# Altium PCB HSBNE-MOTOR.PcbDoc (part 2 of 2)
Units mm, origin at the board's own origin, x right, y up, seen from the top; angles counter-clockwise.
Board outline 150.03 x 100.03 mm, 2 copper layers (Top Layer, Bottom Layer); 140 components, 154 nets, 645 pads, 732 vias.
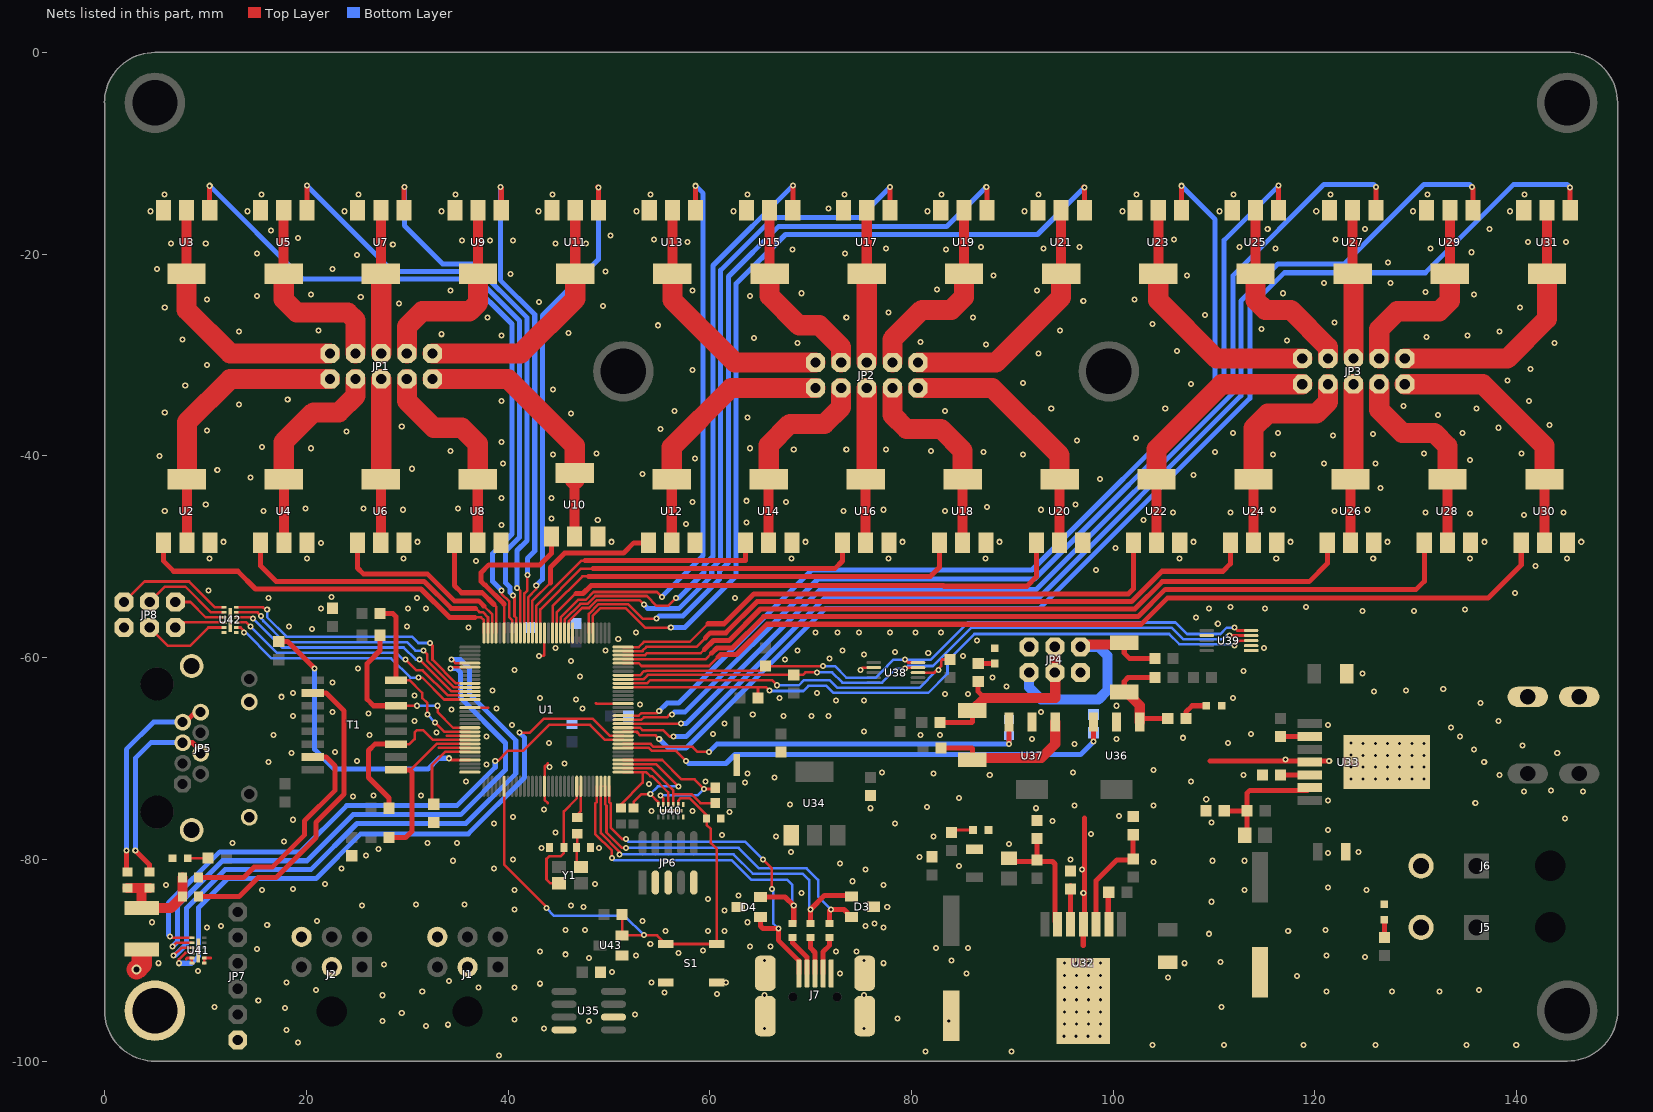
[diagram p2: the nets of this part, all layers, seen from the top]

## Via types
v1: diameter 0.6, hole 0.3, Top Layer to Bottom Layer, tented both sides, 675 vias
v2: diameter 0.6, hole 0.3, Top Layer to Bottom Layer, tented bottom, 56 vias
v3: diameter 1, hole 0.6, Top Layer to Bottom Layer, tented both sides, 1 vias

## Nets (pads, with @x,y where several pads share a name; then routed paths per layer and width w, separated by ;. In a path a pad name is that pad's centre, name@x,y a point inside that pad or via, vN(x,y) a via of type N, cw(c..) or ccw(c..) an arc to the next point about the centre after c; other vN are vias at no path point) (continued)
GND: C2.1 C3.2 C4.2 C6.1 C7.2 C8.2 C9.1 C10.1 C11.1 C12.1 C13.- C14.1 C15.1 C16.1 C17.1 C20.1 C21.1 C22.- C23.- C24.1 C25.1 C26.1 C27.2 D1.2 D3.3 D4.3 D6.2 D7.2 D8.2 D9.2 J1.2 J1.6 J2.2 J2.6 J4.1 J4.2 J5.2 J6.2 J7.5 J7.6 J7.7 J7.8 J7.9 JP4.2 JP4.5 JP5.10 JP5.12 JP5.GND1 JP5.GND2 JP6.3 JP6.5 JP6.9 JP7.6 JP8.6 pad.2 R2.1 R5.1 R8.1 R25.1 R41.1 R42.1 S1.1 S1.2 U1.10 U1.17 U1.48 U1.55 U1.58 U1.64 U1.80 U1.114 U2.3 U3.3 U4.3 U5.3 U6.3 U7.3 U8.3 U9.3 U10.3 U11.3 U12.3 U13.3 U14.3 U15.3 U16.3 U17.3 U18.3 U19.3 U20.3 U21.3 U22.3 U23.3 U24.3 U25.3 U26.3 U27.3 U28.3 U29.3 U30.3 U31.3 U32.4 U32.8 U33.4 U33.8 U34.1 U35.2 U35.8 U36.2 U37.2 U38.7 U39.1 U39.2 U39.7 U40.6 U40.7 U40.13 U41.5 U41.6 U41.7 U41.8 U41.13 U42.6 U42.7 U42.13 U43.1 | length 46.5
  Top Layer w0.254: 8.084,-89.891 8.198,-89.777 U41.5@8.657,-89.777 U41.6@8.657,-90.277 ; U41.7@9.885,-90.277 U41.8@9.885,-89.777 10.529,-89.777 ; 33.157,-68.951 U1.58@36.215,-68.951 ; 33.909,-67.751 U1.55@36.215,-67.751 ; U1.48@36.215,-64.951 36.215,-64.962 38.038,-64.962 ; v1(43.053,-59.817) 43.561,-59.817 ; 43.604,-59.774 43.604,-58.395 43.615,-58.384 U1.17@43.615,-57.551 ; 43.942,-74.422 43.626,-74.106 43.626,-72.762 U1.80@43.615,-72.751 43.626,-72.74 43.626,-70.801 43.942,-70.485 ; 48.707,-64.505 48.753,-64.551 U1.114@51.415,-64.551 ; v1(74.93,-61.214) 75.16,-60.984 U38.7@76.245,-60.984
  Top Layer w0.5: 97.028,-88.519 U32.4@97.028,-86.547 ; U32.4@97.155,-86.42 97.155,-75.895 ; 109.601,-70.231 U33.4@119.491,-70.231 ; U33.4@119.618,-70.231 v1(121.412,-70.231)
  Top Layer w2: v3(3.175,-90.932) 3.683,-90.424 C27.2@3.683,-89.408
  other v1: 39.116,-99.441 81.407,-99.06 89.916,-99.06 103.886,-98.425 110.998,-98.425 118.872,-98.425 125.984,-98.425 135.001,-98.425 139.954,-98.425 19.177,-98.171 18.034,-96.901 43.561,-96.774 65.405,-96.774 75.311,-96.774 31.877,-96.52 34.036,-96.393 27.559,-96.012 48.006,-96.012 83.693,-96.012 40.64,-95.885 78.613,-95.758 52.578,-95.377 29.464,-95.25 17.907,-94.742 10.922,-94.615 110.744,-94.615 15.24,-93.98 27.559,-93.472 65.405,-93.472 75.311,-93.472 60.706,-93.345 55.499,-93.218 31.496,-93.091 121.158,-93.091 127.635,-93.091 132.334,-93.091 20.955,-92.964 136.271,-92.964 37.084,-92.71 40.64,-92.71 43.18,-92.329 18.034,-92.202 54.229,-92.202 61.595,-92.202 34.163,-92.075 105.41,-91.694 118.237,-91.567 72.898,-91.313 85.471,-91.313 50.292,-91.186 9.271,-91.059 27.686,-90.424 5.334,-90.297 77.216,-90.297 107.061,-90.297 110.617,-90.17 65.405,-90.043 75.311,-90.043 83.947,-90.043 48.006,-89.789 124.968,-89.662 52.705,-89.535 121.158,-89.535 45.72,-89.408 56.896,-89.281 43.18,-89.154 72.517,-89.154 74.549,-89.154 59.309,-89.027 15.113,-88.9 82.423,-88.773 85.598,-88.773 64.008,-88.646 66.04,-88.646 54.102,-88.392 109.474,-87.376 55.626,-87.122 59.817,-87.122 61.468,-87.122 117.348,-87.122 45.72,-86.995 47.625,-86.995 121.031,-86.995 10.16,-86.741 77.216,-86.741 11.557,-86.614 75.438,-86.614 16.129,-86.487 76.327,-86.36 4.699,-86.233 63.754,-86.233 21.082,-86.106 53.34,-86.106 61.468,-85.09 40.64,-84.963 47.498,-84.709 77.597,-84.709 25.527,-84.582 46.228,-84.582 30.861,-84.455 35.687,-84.455 109.728,-84.201 59.817,-83.947 62.865,-83.566 69.088,-83.312 97.028,-83.312 15.621,-83.058 40.64,-83.058 113.03,-83.058 125.095,-83.058 18.669,-82.931 121.285,-82.804 6.096,-82.55 77.216,-82.55 21.844,-82.423 48.641,-82.423 74.168,-82.169 75.438,-81.026 96.901,-81.026 23.495,-80.899 38.608,-80.899 84.709,-80.645 72.898,-80.391 104.013,-80.264 34.544,-80.137 109.855,-80.137 113.03,-80.137 40.513,-80.01 95.758,-80.01 80.772,-79.756 25.908,-79.629 121.285,-79.375 68.072,-79.248 124.333,-79.248 27.178,-78.994 43.307,-78.867 49.022,-78.867 89.662,-78.486 12.7,-78.359 32.004,-78.359 34.925,-78.359 17.78,-78.232 66.548,-77.724 82.169,-77.724 61.214,-77.597 97.79,-77.47 44.704,-77.343 121.285,-77.089 38.608,-76.454 78.359,-76.454 109.728,-76.327 93.98,-76.2 18.669,-76.073 144.78,-75.946 40.513,-75.819 100.584,-75.692 61.976,-75.311 54.229,-75.184 58.293,-75.184 43.561,-75.057 75.946,-74.93 92.329,-74.93 81.534,-74.803 96.139,-74.676 104.013,-74.676 67.945,-74.549 135.89,-74.422 121.285,-74.168 109.22,-74.041 84.709,-73.914 24.638,-73.787 26.67,-73.66 31.369,-73.66 140.716,-73.279 146.558,-73.279 143.383,-73.152 53.975,-72.517 63.5,-72.39 35.814,-72.263 59.563,-72.263 107.696,-72.263 66.421,-71.882 87.757,-71.628 112.903,-71.628 138.303,-71.628 63.754,-71.501 82.169,-71.501 77.089,-71.374 96.012,-71.374 104.013,-71.12 44.1,-70.835 37.846,-70.612 45.593,-70.485 16.256,-70.358 136.779,-70.358 25.019,-70.231 117.094,-70.104 18.542,-69.469 144.018,-69.469 22.86,-69.342 135.763,-69.088 140.589,-68.707 96.139,-68.58 44.069,-68.453 111.379,-68.453 91.948,-68.072 100.33,-68.072 106.934,-67.945 37.846,-67.818 134.366,-67.818 16.764,-67.691 26.289,-67.691 80.899,-67.691 82.804,-67.691 60.325,-67.564 113.665,-67.564 32.893,-67.437 75.311,-67.31 133.477,-66.929 40.386,-66.675 121.285,-66.675 61.468,-66.548 30.734,-66.294 138.176,-66.294 18.669,-65.786 67.31,-65.786 70.104,-65.786 71.755,-65.786 64.262,-65.659 26.162,-65.532 22.606,-65.405 92.837,-65.405 34.417,-65.151 38.862,-65.024 47.371,-65.024 100.33,-64.77 53.086,-64.643 136.398,-64.516 72.517,-64.262 75.311,-64.262 46.736,-64.135 43.18,-64.008 66.929,-64.008 111.887,-64.008 17.526,-63.881 30.734,-63.754 83.312,-63.627 85.598,-63.627 18.669,-63.5 70.612,-63.5 125.857,-63.373 38.481,-63.246 129.032,-63.246 132.715,-63.119 89.408,-62.865 22.606,-62.484 88.011,-61.976 47.117,-61.849 124.714,-61.595 112.903,-61.341 40.64,-61.214 25.146,-61.087 46.228,-60.325 67.437,-60.198 71.882,-60.071 85.09,-59.817 75.311,-59.69 81.661,-59.563 78.359,-59.436 49.657,-59.309 68.707,-59.309 73.152,-59.309 44.704,-59.055 114.935,-59.055 86.487,-58.293 50.927,-58.166 52.705,-57.531 70.485,-57.531 72.644,-57.531 74.803,-57.531 77.851,-57.531 80.391,-57.531 82.931,-57.531 20.574,-57.15 36.068,-57.023 18.288,-56.896 29.972,-56.896 110.363,-56.642 108.204,-56.007 124.714,-55.372 129.794,-55.372 134.874,-55.245 21.463,-55.118 30.099,-55.118 31.877,-55.118 109.474,-55.118 115.062,-55.118 111.633,-54.991 119.126,-54.991 16.256,-54.102 30.988,-54.102 62.484,-54.102 22.479,-53.975 139.827,-53.594 10.287,-53.34 98.298,-51.308 141.859,-50.927 36.83,-50.419 10.414,-50.165 20.066,-50.165 29.641,-50.165 68.094,-50.165 77.707,-50.165 87.321,-50.165 106.548,-50.165 116.161,-50.165 125.774,-50.165 135.388,-50.165 145.001,-50.165 100.203,-49.149 21.463,-48.641 11.811,-48.514 31.038,-48.514 50.264,-48.514 69.491,-48.514 79.104,-48.514 88.718,-48.514 107.945,-48.514 117.558,-48.514 127.171,-48.514 136.785,-48.514 146.398,-48.514 39.37,-46.863 57.658,-46.736 63.627,-46.609 48.895,-46.355 102.997,-46.355 44.323,-46.228 140.716,-45.847 135.382,-45.72 105.918,-45.593 111.633,-45.593 130.937,-45.593 144.653,-45.593 5.969,-45.466 15.748,-45.466 73.279,-45.466 83.312,-45.466 121.92,-45.466 29.591,-45.339 77.216,-45.339 92.837,-45.339 115.824,-45.339 125.222,-45.339 19.939,-45.212 25.654,-45.212 35.052,-45.212 87.503,-45.085 10.033,-44.831 96.266,-44.831 58.293,-44.577 67.564,-44.577 63.627,-44.45 39.37,-44.196 44.323,-44.196 126.492,-43.18 98.679,-42.291 14.478,-42.164 107.95,-41.91 53.34,-41.783 11.176,-41.402 30.48,-41.275 39.497,-40.767 120.904,-40.767 125.984,-40.767 135.382,-40.386 58.547,-40.259 5.461,-40.005 44.45,-39.878 91.059,-39.878 115.824,-39.878 48.768,-39.751 130.81,-39.751 140.462,-39.751 87.122,-39.624 110.109,-39.624 34.29,-39.497 81.915,-39.497 68.326,-39.37 73.533,-39.37 77.47,-39.37 20.447,-39.243 64.008,-39.243 15.621,-39.116 39.37,-38.608 96.393,-38.481 102.235,-38.227 121.793,-37.973 125.73,-37.846 111.887,-37.719 116.332,-37.719 134.62,-37.719 24.003,-37.592 10.16,-37.465 55.118,-37.338 138.176,-37.211 29.464,-37.084 143.256,-36.957 63.754,-36.195 132.207,-35.941 46.228,-35.814 5.969,-35.687 56.515,-35.56 83.312,-35.56 93.853,-35.306 105.156,-35.306 136.017,-35.306 128.778,-35.052 13.335,-34.925 39.37,-34.544 141.224,-34.544 18.161,-34.417 44.45,-33.401 8.001,-33.02 107.696,-32.893 91.059,-32.766 139.065,-32.512 58.293,-31.496 141.351,-31.369 10.16,-30.988 92.583,-29.845 106.299,-29.591 87.376,-28.956 68.707,-28.829 143.764,-28.829 80.899,-28.702 117.221,-28.575 7.747,-28.448 64.389,-28.321 131.064,-28.194 39.37,-28.067 135.128,-28.067 33.401,-27.94 45.974,-27.813 13.335,-27.686 138.303,-27.686 21.209,-27.559 94.742,-27.559 114.681,-27.432 54.864,-27.051 103.886,-26.924 121.92,-26.797 37.973,-26.289 73.533,-26.289 86.106,-26.289 109.093,-26.035 77.724,-25.781 5.969,-25.273 140.335,-25.273 49.403,-25.146 29.21,-24.892 43.053,-24.765 97.028,-24.638 10.16,-24.511 102.108,-24.511 25.4,-24.257 15.113,-24.13 64.008,-24.13 20.447,-24.003 135.763,-24.003 69.088,-23.876 116.84,-23.876 130.937,-23.749 34.29,-23.622 58.293,-23.622 92.456,-23.622 82.55,-23.495 120.904,-22.86 127.508,-22.86 88.138,-22.098 107.315,-22.098 40.259,-21.971 49.657,-21.717 5.207,-21.463 22.606,-21.463 127.254,-20.828 25.019,-20.066 15.113,-19.939 73.406,-19.939 135.509,-19.812 68.199,-19.558 83.439,-19.558 77.47,-19.431 93.091,-19.431 116.078,-19.431 131.445,-19.431 86.868,-19.304 96.647,-19.304 112.522,-19.304 28.575,-19.05 6.604,-18.923 10.033,-18.923 44.704,-18.923 47.752,-18.923 57.785,-18.796 141.097,-18.796 144.907,-18.796 35.433,-18.669 38.227,-18.669 40.513,-18.669 54.483,-18.542 106.045,-18.542 122.047,-18.542 19.177,-18.415 50.165,-18.161 16.51,-17.653 115.316,-17.526 124.968,-17.526 137.287,-17.526 4.56,-15.748 14.173,-15.748 23.787,-15.748 33.4,-15.748 43.013,-15.748 52.729,-15.748 62.343,-15.748 81.569,-15.748 91.183,-15.748 100.899,-15.748 110.512,-15.748 120.125,-15.748 129.739,-15.748 139.352,-15.748 71.755,-15.494 5.957,-14.097 15.57,-14.097 25.184,-14.097 34.797,-14.097 44.41,-14.097 54.126,-14.097 63.74,-14.097 73.353,-14.097 82.966,-14.097 92.58,-14.097 102.296,-14.097 111.909,-14.097 121.522,-14.097 131.136,-14.097 140.749,-14.097
  other v2: 95.123,-97.536 96.308,-97.536 97.494,-97.536 98.679,-97.536 95.165,-96.329 96.351,-96.329 97.536,-96.329 98.721,-96.329 95.165,-95.123 96.351,-95.123 97.536,-95.123 98.721,-95.123 95.165,-93.916 96.351,-93.916 97.536,-93.916 98.721,-93.916 95.165,-92.71 96.351,-92.71 97.536,-92.71 98.721,-92.71 95.165,-91.504 96.351,-91.504 97.536,-91.504 98.721,-91.504 95.165,-90.297 96.351,-90.297 97.536,-90.297 98.721,-90.297 124.777,-72.051 125.984,-72.051 127.191,-72.051 128.397,-72.051 129.603,-72.051 130.81,-72.051 123.571,-72.009 124.777,-70.866 125.984,-70.866 127.191,-70.866 128.397,-70.866 129.603,-70.866 130.81,-70.866 123.571,-70.824 124.777,-69.681 125.984,-69.681 127.191,-69.681 128.397,-69.681 129.603,-69.681 130.81,-69.681 123.571,-69.638 124.777,-68.495 125.984,-68.495 127.191,-68.495 128.397,-68.495 129.603,-68.495 130.81,-68.495 123.571,-68.453
I2C5CLK: R33.1 U1.121 U38.5 U39.5 | length 67.6
  Top Layer w0.254: U1.121@51.415,-61.751 53.086,-61.751 53.496,-61.341 53.658,-61.341 53.692,-61.307 65.069,-61.307 R33.1@65.532,-60.844 v1(71.236,-60.844) ; v1(79.375,-60.198) 79.661,-60.484 U38.5@80.645,-60.484 ; v1(112.014,-57.023) 112.3,-57.309 U39.5@113.665,-57.309
  Bottom Layer w0.254: v1(71.236,-60.844) 72.401,-60.844 73.533,-61.976 76.473,-61.976 77.586,-60.863 77.586,-60.844 78.232,-60.198 v1(79.375,-60.198) 81.915,-60.198 85.598,-56.515 106.172,-56.515 107.315,-57.658 110.617,-57.658 111.252,-57.023 v1(112.014,-57.023)
I2C5SDA: R32.1 U1.120 U38.4 U39.4 | length 67.3
  Top Layer w0.254: U1.120@51.415,-62.151 53.467,-62.151 53.467,-62.103 53.859,-61.711 R32.1@68.326,-61.711 69.226,-61.711 69.469,-61.468 v1(70.612,-61.468) ; v1(79.375,-61.087) 79.478,-60.984 U38.4@80.645,-60.984 ; v1(111.506,-57.785) 111.53,-57.809 U39.4@113.665,-57.809
  Bottom Layer w0.254: v1(70.612,-61.468) 72.136,-61.468 73.152,-62.484 77.089,-62.484 78.486,-61.087 v1(79.375,-61.087) 79.629,-60.833 82.121,-60.833 85.931,-57.023 105.791,-57.023 106.934,-58.166 110.871,-58.166 111.252,-57.785 v1(111.506,-57.785) v1@111.633,-57.785
LINK-LED: R17.2 U1.61 | length 29.4
  Top Layer w0.254: v1(34.163,-69.977) 34.337,-70.151 36.169,-70.151 36.192,-70.128 U1.61@36.215,-70.151
  Top Layer w0.5: R17.2@17.272,-58.409 18.15,-58.409 v1(20.828,-61.087)
  Bottom Layer w0.5: v1(20.828,-61.087) 20.828,-69.088 22.775,-71.035 32.089,-71.035 33.147,-69.977 v1(34.163,-69.977)
M_PWR_ON: R42.2 U1.103 U36.3 | length 51.1
  Top Layer w0.254: U1.103@51.415,-68.951 53.957,-68.951 54.251,-69.245 56.672,-69.245 v1(57.658,-70.231)
  Top Layer w0.5: U36.3@98.03,-66.473 98.03,-68.312 v1(98.044,-68.326)
  Bottom Layer w0.5: v1(57.658,-70.231) 57.919,-70.492 61.602,-70.492 62.498,-69.596 96.774,-69.596 v1(98.044,-68.326) R42.2@98.044,-67.248
M_SEN: JP4.3 JP4.4 R10.2 R28.2 R31.1 | length 20.1
  Top Layer w0.5: R31.1@82.815,-66.421 85.979,-66.421 86.028,-66.372 R10.2@86.028,-65.241 ; R28.2@86.614,-62.368 86.614,-63.373 87.249,-64.008
  Top Layer w1: R10.2@86.028,-65.241 86.028,-65.229 87.249,-64.008 94.248,-64.008 94.248,-58.972 JP4.4@94.204,-58.928
M_SEN_ALERT: R35.1 U1.119 U38.3 | length 37
  Top Layer w0.254: U1.119@51.415,-62.551 53.781,-62.551 54.102,-62.23 66.167,-62.23 v1(66.675,-62.738) ; U38.3@80.645,-61.484 82.28,-61.484 82.55,-61.214 v1(82.677,-61.214) 82.677,-61.087 82.931,-60.833 82.931,-60.325 83.069,-60.187 R35.1@83.82,-60.187
  Bottom Layer w0.254: v1(66.675,-62.738) 68.834,-62.738 69.342,-62.23 71.882,-62.23 72.644,-62.992 80.772,-62.992 82.55,-61.214 v1(82.677,-61.214)
M_SEN_ON: R41.2 U1.104 U37.3 | length 42
  Top Layer w0.254: U1.104@51.415,-68.551 54.123,-68.551 54.417,-68.845 58.304,-68.845 58.801,-69.342 v1(59.944,-69.342)
  Top Layer w0.5: U37.3@89.648,-66.473 89.648,-68.566 v1(89.662,-68.58)
  Bottom Layer w0.5: v1(59.944,-69.342) 60.706,-68.58 v1(89.662,-68.58) R41.2@89.662,-67.629
M_VDD: JP4.1 JP4.6 R9.2 R12.1 | length 25.4
  Top Layer w0.5: R9.2@101.092,-58.51 101.092,-58.71 101.092,-59.563 101.6,-60.071 R12.1@104.129,-60.071
  Top Layer w1: JP4.6@96.744,-58.928 96.962,-58.71 R9.2@101.092,-58.71
  Bottom Layer w1: JP4.1@91.664,-61.468 91.664,-62.962 92.837,-64.135 98.552,-64.135 99.441,-63.246 99.441,-59.817 98.552,-58.928 JP4.6@96.744,-58.928
M_VDD_ALERT: R36.1 U1.118 U39.3 | length 67.8
  Top Layer w0.254: U1.118@51.415,-62.951 65.618,-62.951 v1(65.913,-63.246) ; R36.1@64.781,-64.008 64.781,-62.962 ; v1(112.014,-58.801) 112.506,-58.309 U39.3@113.665,-58.309
  Bottom Layer w0.254: v1(65.913,-63.246) 65.978,-63.311 69.277,-63.311 69.788,-62.8 71.563,-62.8 72.263,-63.5 81.661,-63.5 83.566,-61.595 83.566,-60.325 86.233,-57.658 105.537,-57.658 106.553,-58.674 111.887,-58.674 v1(112.014,-58.801)
MC1: U1.32 U2.1 | length 37.3
  Top Layer w0.254: 36.703,-56.007 37.338,-56.007 37.615,-56.284 U1.32@37.615,-57.551
  Top Layer w0.5: U2.1@5.861,-48.616 5.861,-50.438 6.858,-51.435 13.208,-51.435 14.97,-53.197 31.379,-53.197 34.189,-56.007 36.703,-56.007
MC2: U1.25 U3.1 | length 70.5
  Top Layer w0.254: v1@39.243,-53.467 v1(39.37,-53.34) 39.37,-53.677 40.142,-54.449 40.142,-54.946 40.132,-54.956 40.132,-56.007 40.415,-56.29 U1.25@40.415,-57.551
  Top Layer w0.5: U3.1@10.428,-15.646 v1(10.428,-13.222)
  Bottom Layer w0.5: v1(10.428,-13.222) 19.685,-22.479 35.941,-22.479 40.386,-26.924 40.386,-47.752 38.481,-49.657 38.481,-52.451 v1(39.37,-53.34)
MC3: U1.31 U4.1 | length 28.5
  Top Layer w0.254: 36.78,-55.118 37.157,-55.495 37.505,-55.495 38.015,-56.005 U1.31@38.015,-57.551
  Top Layer w0.5: U4.1@15.474,-48.616 15.474,-50.907 17.01,-52.443 31.692,-52.443 34.367,-55.118 36.78,-55.118
MC4: U1.24 U5.1 | length 61
  Top Layer w0.254: v1(40.513,-53.848) 40.64,-53.975 40.64,-55.88 40.815,-56.055 U1.24@40.815,-57.551
  Top Layer w0.5: U5.1@20.062,-15.646 20.062,-13.212 v1(20.066,-13.208)
  Bottom Layer w0.5: v1(20.066,-13.208) 28.583,-21.725 36.253,-21.725 41.14,-26.612 41.14,-48.064 39.751,-49.453 39.751,-52.578 40.194,-53.021 40.194,-53.529 v1(40.513,-53.848)
MC5: U1.30 U6.1 | length 19.6
  Top Layer w0.254: 37.592,-54.864 38.415,-55.687 U1.30@38.415,-57.551
  Top Layer w0.5: U6.1@25.088,-48.616 25.088,-51.123 25.654,-51.689 32.004,-51.689 34.679,-54.364 37.092,-54.364 37.592,-54.864
MC6: U1.23 U7.1 | length 53.9
  Top Layer w0.254: v1(40.894,-53.086) 41.215,-53.407 U1.23@41.215,-57.551
  Top Layer w0.5: U7.1@29.696,-15.646 29.696,-13.357 v1(29.718,-13.335)
  Bottom Layer w0.5: v1(29.718,-13.335) 29.718,-17.161 33.528,-20.971 36.566,-20.971 41.894,-26.299 41.894,-48.387 40.894,-49.387 v1(40.894,-53.086)
MC7: U1.29 U8.1 | length 11.8
  Top Layer w0.254: 38.602,-54.731 38.815,-54.944 U1.29@38.815,-57.551
  Top Layer w0.5: U8.1@34.701,-48.616 34.701,-52.862 35.409,-53.57 37.441,-53.57 38.602,-54.731
MC8: U1.22 U9.1 | length 48.4
  Top Layer w0.254: U1.22@41.615,-57.551 41.615,-53.635 41.91,-53.34 v1(41.91,-51.816)
  Top Layer w0.5: v1(39.243,-13.335) 39.33,-13.422 U9.1@39.33,-15.646
  Bottom Layer w0.5: v1(39.243,-13.335) 39.243,-22.582 42.648,-25.987 42.648,-49.437 41.91,-50.175 v1(41.91,-51.816)
MC9: U1.27 U10.1 | length 15.8
  Top Layer w0.254: U1.27@39.615,-57.551 39.615,-54.728
  Top Layer w0.5: 39.615,-54.728 39.615,-54.678 37.753,-52.816 37.703,-52.816 37.338,-52.451 37.338,-51.562 38.1,-50.8 43.171,-50.8 44.314,-49.657 U10.1@44.314,-48.616
MC10: U1.21 U11.1 | length 49.4
  Top Layer w0.254: U1.21@42.015,-57.551 42.015,-53.997 42.799,-53.213 v1(42.799,-52.832)
  Top Layer w0.5: v1@48.895,-13.335 v1(48.963,-13.403) U11.1@48.963,-15.646
  Bottom Layer w0.5: v1(42.799,-52.832) 43.402,-52.229 43.402,-26.067 48.963,-20.506 v1(48.963,-13.403)
MC11: U1.20 U12.1 | length 18
  Top Layer w0.254: U1.20@42.415,-57.551 42.415,-54.356 44.194,-52.576
  Top Layer w0.5: 44.194,-52.576 44.194,-51.056 45.626,-49.624 51.468,-49.624 52.476,-48.616 U12.1@53.928,-48.616
MC12: U1.13 U13.1 | length 58
  Top Layer w0.254: U1.13@45.215,-57.551 45.215,-56.004 46.942,-54.277 47.704,-54.277 48.488,-53.493 54.763,-53.493 v1(55.245,-53.975)
  Top Layer w0.5: U13.1@58.597,-15.646 v1(58.597,-13.222)
  Bottom Layer w0.5: v1(55.245,-53.975) 59.351,-49.869 59.351,-13.976 v1(58.597,-13.222)
MC13: U1.19 U14.1 | length 27
  Top Layer w0.254: U1.19@42.815,-57.551 42.815,-54.848 47.285,-50.378 47.625,-50.378
  Top Layer w0.5: 47.625,-50.378 63.541,-50.378 U14.1@63.541,-48.616
MC14: U1.12 U15.1 | length 62.3
  Top Layer w0.254: U1.12@45.615,-57.551 45.615,-56.239 47.177,-54.677 47.87,-54.677 48.654,-53.893 53.766,-53.893 54.737,-54.864 55.88,-54.864 v1(56.642,-54.102)
  Top Layer w0.5: U15.1@68.231,-15.646 68.231,-13.212 v1(68.235,-13.208)
  Bottom Layer w0.5: v1(56.642,-54.102) 56.896,-54.102 59.436,-51.562 59.436,-50.85 60.325,-49.961 60.325,-21.118 v1(68.235,-13.208)
MC15: U1.18 U16.1 | length 36.1
  Top Layer w0.254: U1.18@43.215,-57.551 43.215,-55.21 47.244,-51.181 48.403,-51.181
  Top Layer w0.5: 48.403,-51.181 72.392,-51.181 73.154,-50.419 U16.1@73.154,-48.616
MC16: U1.11 U17.1 | length 71.5
  Top Layer w0.254: U1.11@46.015,-57.551 46.015,-56.405 47.343,-55.077 48.035,-55.077 48.819,-54.293 53.023,-54.293 v1(53.467,-54.737) 53.467,-54.61 53.594,-54.737 v1@53.594,-54.864
  Top Layer w0.5: U17.1@77.865,-15.646 77.865,-13.357 v1(77.887,-13.335)
  Bottom Layer w0.5: v1(53.467,-54.737) 53.848,-55.118 56.973,-55.118 60.198,-51.893 60.198,-51.155 61.087,-50.266 61.087,-21.59 66.294,-16.383 74.839,-16.383 v1(77.887,-13.335)
MC17: U1.15 U18.1 | length 45
  Top Layer w0.254: U1.15@44.415,-57.551 44.415,-54.899 47.371,-51.943 48.004,-51.943
  Top Layer w0.5: 48.004,-51.943 81.879,-51.943 82.768,-51.054 U18.1@82.768,-48.616
MC18: U1.6 U19.1 | length 79.4
  Top Layer w0.254: U1.6@48.015,-57.551 48.015,-55.663 48.985,-54.693 51.899,-54.693 53.34,-56.134 v1(54.737,-56.134)
  Top Layer w0.5: v1(87.412,-13.335) 87.499,-13.422 U19.1@87.499,-15.646
  Bottom Layer w0.5: v1(54.737,-56.134) 54.991,-55.88 57.327,-55.88 60.952,-52.255 60.952,-51.467 61.849,-50.57 61.849,-22.225 66.802,-17.272 83.475,-17.272 v1(87.412,-13.335)
MC19: U1.14 U20.1 | length 54.3
  Top Layer w0.254: U1.14@44.815,-57.551 44.815,-55.515 46.584,-53.746
  Top Layer w0.5: 46.759,-53.646 47.443,-53.646 48.227,-52.862 83.174,-52.862 83.235,-52.923 91.453,-52.923 92.381,-51.995 U20.1@92.381,-48.616
MC20: U1.5 U21.1 | length 88.9
  Top Layer w0.254: U1.5@48.415,-57.551 48.415,-55.829 49.151,-55.093 51.664,-55.093 53.594,-57.023 v1(56.134,-57.023)
  Top Layer w0.5: v1@97.064,-13.335 v1(97.133,-13.403) U21.1@97.133,-15.646
  Bottom Layer w0.5: v1(56.134,-57.023) 57.531,-57.023 62.611,-51.943 62.611,-22.934 67.5,-18.045 92.491,-18.045 v1(97.133,-13.403)
MC21: U1.128 U22.1 | length 57.5
  Top Layer w0.254: U1.128@51.415,-58.951 52.959,-58.951 53.467,-58.443 58.016,-58.443 59.817,-56.642
  Top Layer w0.5: 59.817,-56.642 61.418,-56.642 64.383,-53.677 101.517,-53.677 101.995,-53.199 U22.1@101.995,-48.616
MC22: U1.111 U23.1 | length 95.9
  Top Layer w0.254: U1.111@51.415,-65.751 52.959,-65.751 53.213,-65.497 54.772,-65.497 v1(54.991,-65.278)
  Top Layer w0.5: U23.1@106.767,-15.646 v1(106.767,-13.222)
  Bottom Layer w0.5: v1(54.991,-65.278) 55.753,-64.516 56.896,-64.516 70.104,-51.308 91.948,-51.308 110.109,-33.147 110.109,-16.564 v1(106.767,-13.222)
MC23: U1.127 U24.1 | length 65.9
  Top Layer w0.254: U1.127@51.415,-59.351 53.34,-59.351 ; 53.34,-59.347 53.34,-59.309 53.721,-58.928 53.975,-58.928 58.674,-58.928 59.563,-58.039
  Top Layer w0.5: 59.563,-58.039 60.06,-57.542 61.584,-57.542 64.695,-54.431 101.829,-54.431 104.825,-51.435 110.871,-51.435 111.608,-50.698 U24.1@111.608,-48.616